# Altium PCB PCB_LampDimmer.PcbDoc
Units mil, origin at the board's own origin, x right, y up, seen from the top; angles counter-clockwise.
Board outline 5118.11 x 4724.41 mil, 2 copper layers (Top Layer, Bottom Layer); 47 components, 35 nets, 191 pads, 45 vias.
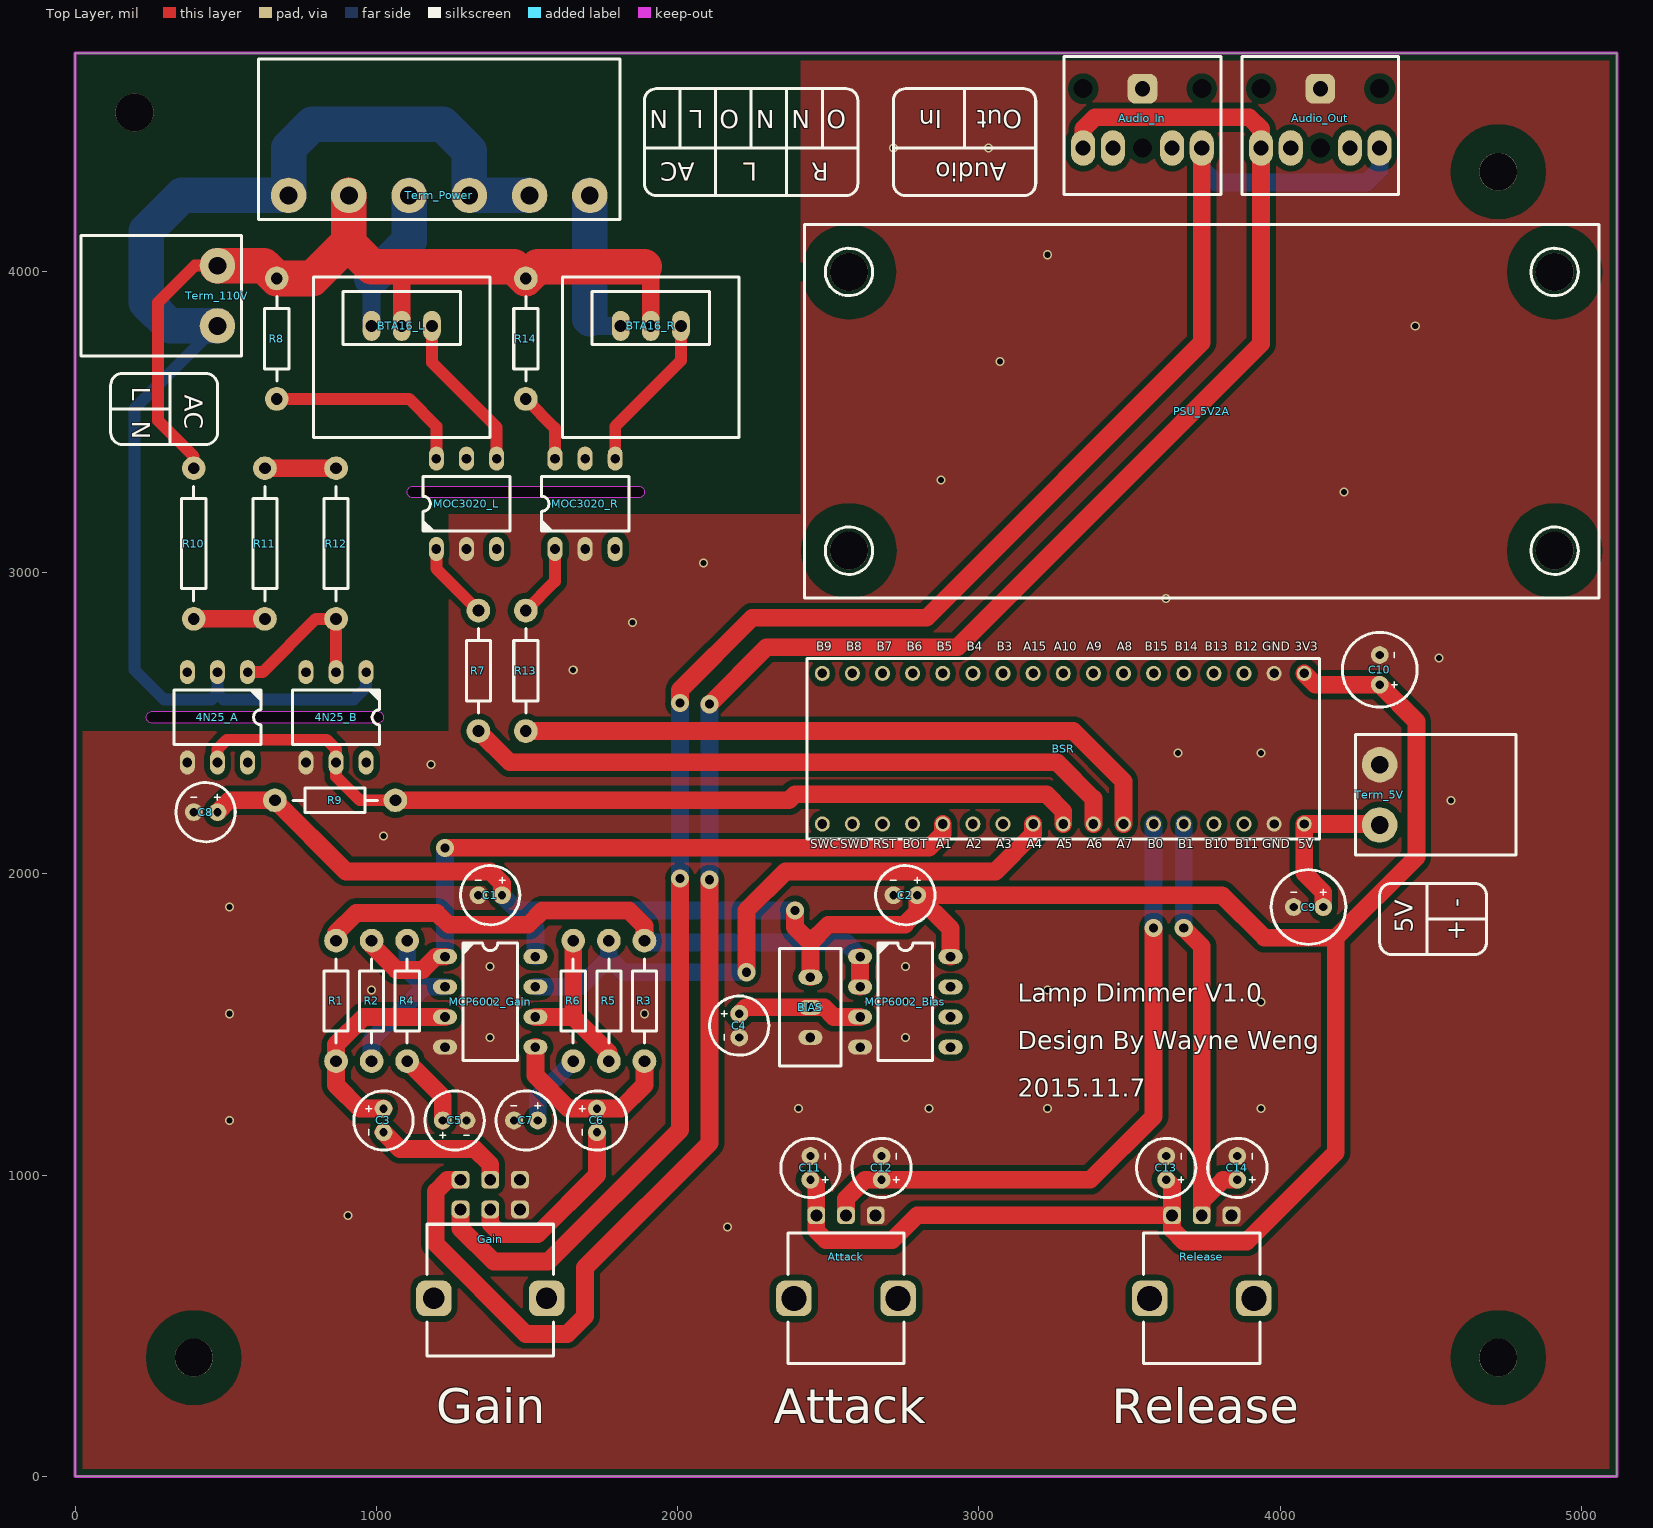
[diagram p0: Top Layer view]
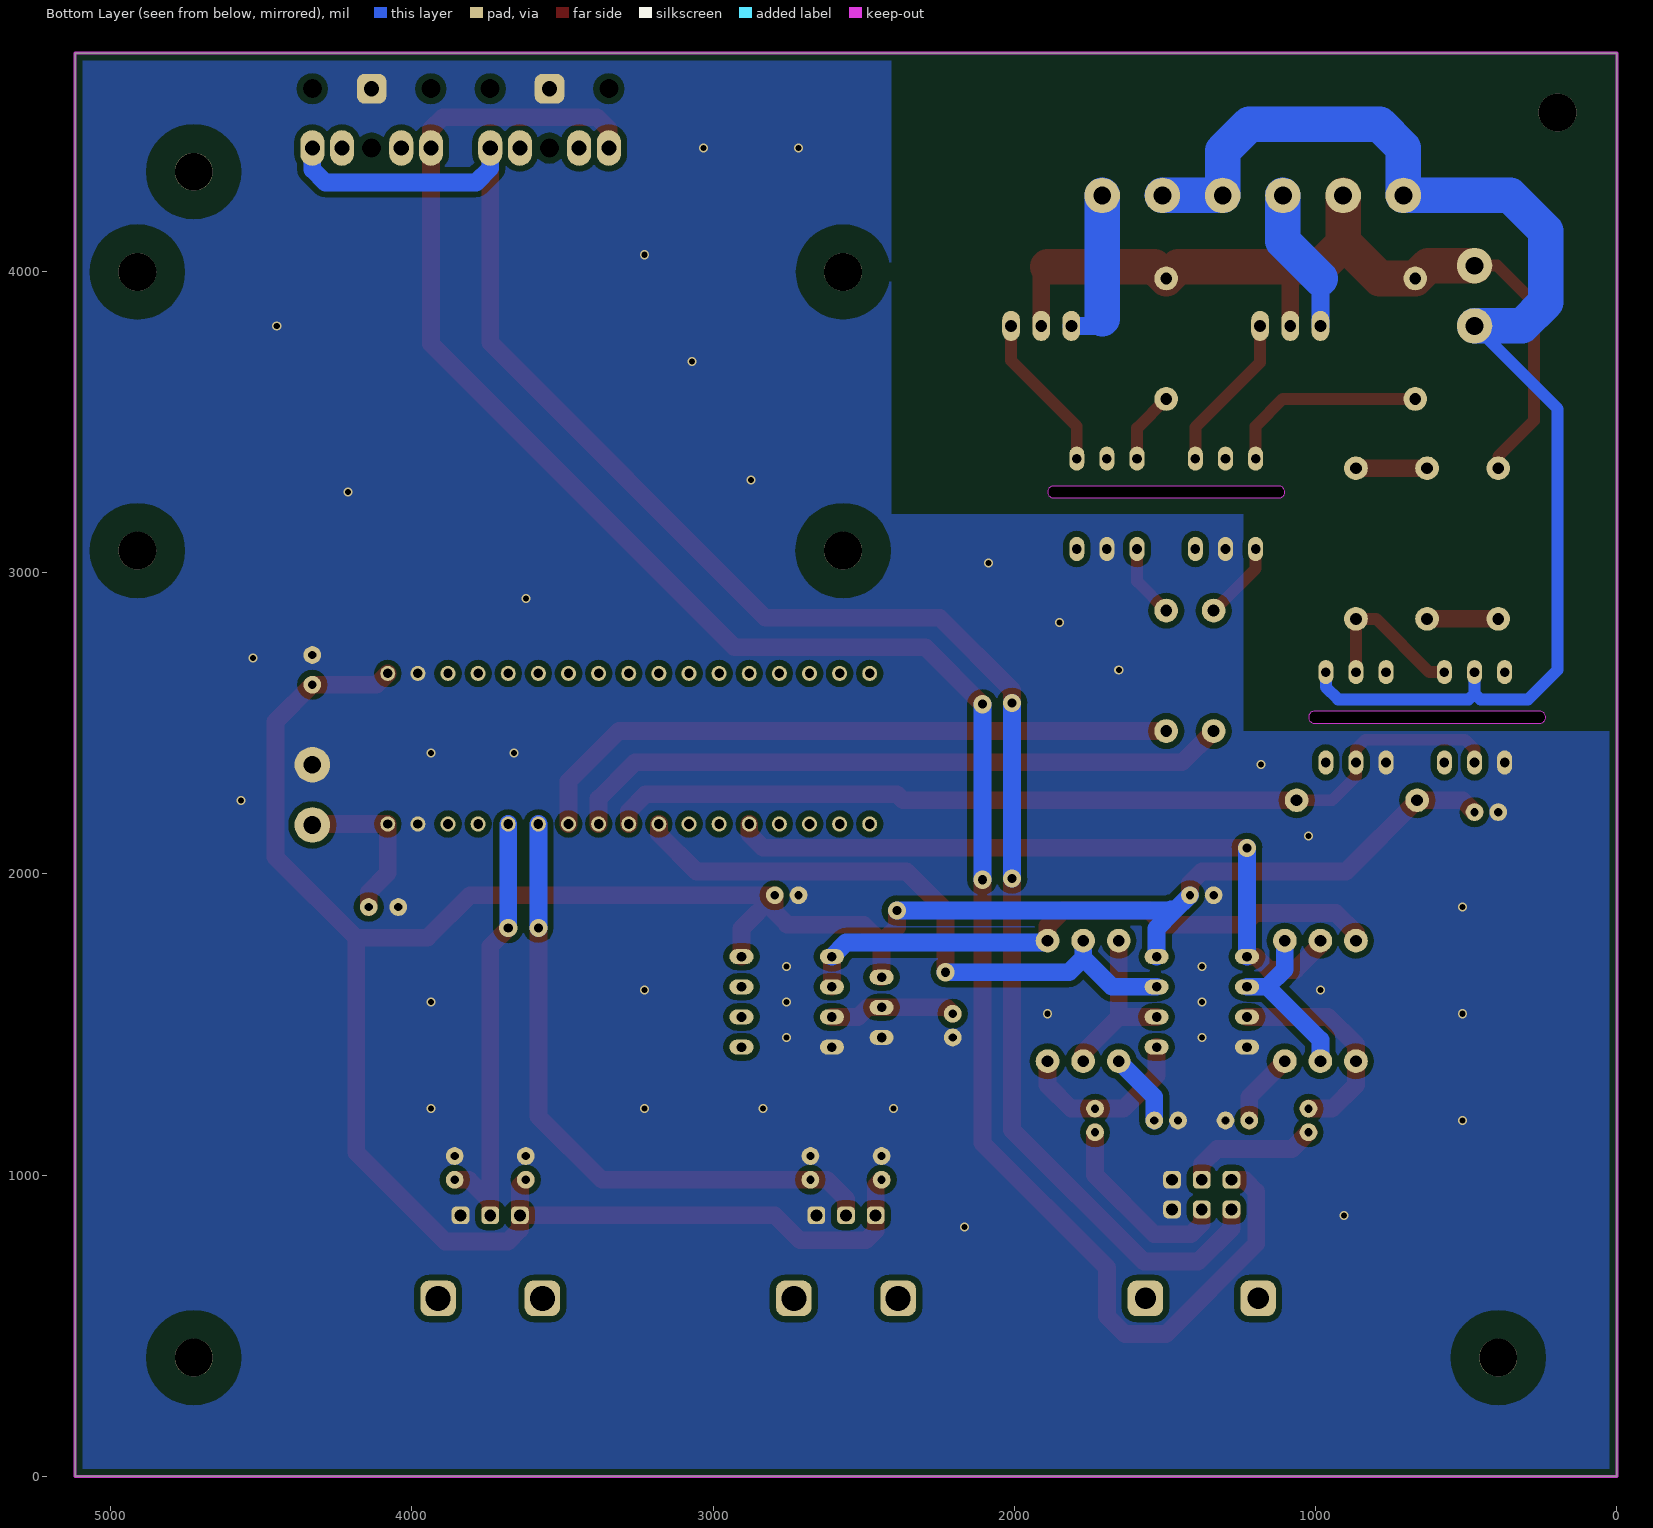
[diagram p1: Bottom Layer view, seen from below]

## Layer stack, top to bottom
Top Solder: solder mask 0.4, Solder Resist, Dk 3.5
Top Layer: signal copper 1.4
Dielectric 1: dielectric 12.6, FR-4, Dk 4.8
Bottom Layer: signal copper 1.4
Bottom Solder: solder mask 0.4, Solder Resist, Dk 3.5

## Board outline
0,0 5118.11,0 5118.11,4724.41 0,4724.41
cut-out: 1122.05,3248.03 cw(c1122.05,3267.72) 1102.36,3267.72 cw(c1122.05,3267.72) 1122.05,3287.4 1870.08,3287.4 cw(c1870.08,3267.72) 1889.76,3267.72 cw(c1870.08,3267.72) 1870.08,3248.03
cut-out: 255.91,2500 cw(c255.91,2519.69) 236.22,2519.68 236.22,2519.69 cw(c255.91,2519.69) 255.91,2539.37 1003.94,2539.37 cw(c1003.94,2519.68) 1023.62,2519.69 1023.62,2519.68 cw(c1003.94,2519.69) 1003.94,2500

## Design rules (kind name [scope] priority, off if disabled: settings)
Clearance [All] p1: gap=10 except(19.68: Arc-Poly Arc-Region Track-Poly Track-Region SMDPad-Poly SMDPad-Region THPad-Poly THPad-Region Via-Poly Via-Region Fill-Poly Fill-Region Poly-Poly Poly-Region Region-Region)
Height [All] p1: minheight=0 maxheight=1968.5 prefheight=500
PolygonConnect [All] p1: connectstyle=Direct reliefconductorwidth=10 reliefentries=4 polygonreliefangle="90 Angle" airgapwidth=10
RoutingVias [All] p1: holewidth=30 width=60 viastyle="Through Hole" minholewidth=12 minwidth=24 maxholewidth=50 maxwidth=100
SolderMaskExpansion [All] p1: expansion=0
Width [All] p1: maxlimit=118.11 minlimit=39.37 preferedwidth=39.37 checkconnectedcopper=TRUE
29 further rules are at their usual default settings.

## Classes and differential pairs
component class SCH_ZCD_TRIAC: 4N25_A 4N25_B BTA16_L BTA16_R C8 MOC3020_L MOC3020_R R7 R8 R9 R10 R11 R12 R13 R14
component class SCH_PowerInOut: PSU_5V2A Term_5V Term_110V Term_Power
component class SCH_Controller: Attack BSR C9 C10 C11 C12 C13 C14 Release
component class SCH_AnalogAudio: Audio_In Audio_Out BIAS C1 C2 C3 C4 C5 C6 C7 Gain MCP6002_Bias MCP6002_Gain R1 R2 R3 R4 R5 R6

## Components (designator, comment, footprint, x,y, rotation, side; value= is the part's Value field where it differs from the comment)
4N25_A "4N25" DIP6 472.44,2519.68 r270 top
4N25_B "4N25" DIP6 866.14,2519.68 r270 top
Attack "Single POT" "POT RK09K1130AAU" 2559.06,590.55 r180 top
Audio_In "Generic 3.5 PhoneJack 5 Pin through-hole" "3.5 PhoneJack 5 Pin" 3543.31,4606.3 r90 top
Audio_Out "Generic 3.5 PhoneJack 5 Pin through-hole" "3.5 PhoneJack 5 Pin" 4133.86,4606.3 r90 top
BIAS "POT 20T" "POT 20T" 2440.94,1456.69 r90 top
BSR "BSR" BSR 2480.32,2165.35 r0 top
BTA16_L "BTA16" TO220 984.25,3818.9 r0 top
BTA16_R "BTA16" TO220 1811.02,3818.9 r0 top
C1 "Cap" "CAP Axial 5mm" 1377.95,1929.13 r0 top
C2 "Cap" "CAP Axial 5mm" 2755.91,1929.13 r0 top
C3 "Cap" "CAP Axial 5mm" 1023.62,1181.1 r90 top
C4 "Cap" "CAP Axial 5mm" 2204.72,1496.06 r90 top
C5 "Cap" "CAP Axial 5mm" 1259.84,1181.1 r180 top
C6 "Cap" "CAP Axial 5mm" 1732.28,1181.1 r90 top
C7 "Cap" "CAP Axial 5mm" 1496.06,1181.1 r0 top
C8 "Cap" "CAP Axial 5mm" 433.07,2204.72 r0 top
C9 "Cap" "CAP Axial 6.3mm" 4094.49,1889.76 r0 top
C10 "Cap" "CAP Axial 6.3mm" 4330.71,2677.17 r270 top
C11 "Cap" "CAP Axial 5mm" 2440.94,1023.62 r270 top
C12 "Cap" "CAP Axial 5mm" 2677.17,1023.62 r270 top
C13 "Cap" "CAP Axial 5mm" 3622.05,1023.62 r270 top
C14 "Cap" "CAP Axial 5mm" 3858.27,1023.62 r270 top
Gain "Dual POT" "POT RK09L1240A12" 1377.95,590.55 r180 top
MCP6002_Bias "MCP6002" DIP8 2755.91,1574.8 r0 top
MCP6002_Gain "MCP6002" DIP8 1377.95,1574.8 r0 top
MOC3020_L "MOC3020" DIP6 1299.21,3228.35 r90 top
MOC3020_R "MOC3020" DIP6 1692.91,3228.35 r90 top
PSU_5V2A "psu" "POWER 5V2A MECHANICAL" 3740.16,3535.43 r180 top
R1 "Res" "1/4W Res" 866.14,1777.95 r270 top
R2 "Res" "1/4W Res" 984.25,1777.95 r270 top
R3 "Res" "1/4W Res" 1889.76,1377.95 r90 top
R4 "Res" "1/4W Res" 1102.36,1377.95 r90 top
R5 "Res" "1/4W Res" 1771.65,1777.95 r270 top
R6 "Res" "1/4W Res" 1653.54,1377.95 r90 top
R7 "Res" "1/4W Res" 1338.58,2874.02 r270 top
R8 "Res" "1/4W Res" 669.29,3976.38 r270 top
R9 "Res" "1/4W Res" 1062.99,2244.09 r180 top
R10 "Res" "1/2W Res" 393.7,3346.46 r270 top
R11 "Res" "1/2W Res" 629.92,2846.46 r90 top
R12 "Res" "1/2W Res" 866.14,3346.46 r270 top
R13 "Res" "1/4W Res" 1496.06,2874.02 r270 top
R14 "Res" "1/4W Res" 1496.06,3976.38 r270 top
Release "Single POT" "POT RK09K1130AAU" 3740.16,590.55 r180 top
Term_5V "Terminal Block Socket 2 way" "TermBlock Socket 2way 5.08" 4330.71,2362.2 r270 top
Term_110V "Terminal Block Socket 2 way" "TermBlock Socket 2way 5.08" 472.44,3818.9 r90 top
Term_Power "Terminal Block Socket 6 way" "TermBlock Socket 6way 5.08" 708.66,4251.97 r0 top

## Footprints (in the part's own frame and the unit in brackets; to place one, negate y for a bottom-side part, rotate by r counter-clockwise, add the part's x,y. Pads: shape width x height; smd on the part's side, far side on the other; paste and mask are expansions set on the pad)
"1/2W Res" [mm] "1/2W Res"
  round 2 hole 1: 1(0,0) 2(12.7,0)
  silkscreen extent 1.52,-1.02 11.18,1.02, body extent -0.37,-1.87 13.08,1.88, height 3.88
"1/4W Res" [mm] "1/4W Res"
  round 2 hole 1: 1(0,0) 2(10.16,0)
  silkscreen extent 1.52,-1.02 8.64,1.02, body extent -0.3,-1.2 10.46,1.2, height 2.41
"3.5 PhoneJack 5 Pin" [mm] "Generic 3.5 PhoneJack 5 Pin  through-hole"
  round 1 hole 1.6 unplated: 0(-5,0) 0(0,5) 0(0,-5)
  oval 3x2.032 hole 1.27: Ring_NC(-5,-2.5) Ring_NO(-5,-5) Tip_NC(-5,2.5) Tip_NO(-5,5)
  rrect50% 2.5x2.5 hole 1.27: Sleeve(0,0)
  silkscreen extent -8.9,-6.6 2.7,6.6, body extent -8.48,-6 6.52,6, height 10
BSR [mil] "BSR Board"
  round 50 hole 32: 1(0,0) 2(100,0) 3(200,0) 4(300,0) 5(400,0) 6(500,0) 7(600,0) 8(700,0) 9(800,0) 10(900,0) 11(1000,0) 12(1100,0) 13(1200,0) 14(1300,0) 15(1400,0)
  round 50 hole 31: 16(1500,0) 17(1600,0) 18(1600,500) 19(1500,500) 20(1400,500) 21(1300,500) 22(1200,500) 23(1100,500) 24(1000,500) 25(900,500) 26(800,500) 27(700,500) 28(600,500) 29(500,500) 30(400,500) 31(300,500) 32(200,500) 33(100,500) 34(0,500)
  silkscreen extent -50,-50 1650,550, body extent -122,-51 1655,549, height 559
"CAP Axial 5mm" [mm] "CAP Axial 5mm pitch 2mm"
  round 1.5 hole 0.7: 1(-1,0) 2(1,0)
  silkscreen extent -2.5,-2.5 2.5,2.5, body extent -2.53,-2.53 2.53,2.53, height 11.53
"CAP Axial 6.3mm" [mm] "CAP Axial 6.3mm pitch 2.5mm"
  round 1.5 hole 0.7: 1(-1.25,0) 2(1.25,0)
  silkscreen extent -3.15,-3.15 3.15,3.15, body extent -3.18,-3.18 3.17,3.18, height 11.53
DIP6 [mil] "DIP6"
  oval 80x50 hole 32: 1(-150,100) 2(-150,0) 3(-150,-100) 4(150,-100) 5(150,0) 6(150,100)
  silkscreen extent -90,-145 90,145, body extent -157,-158 157,160, height 170
DIP8 [mil] "DIP8"
  oval 80x50 hole 32: 1(-150,150) 2(-150,50) 3(-150,-50) 4(-150,-150) 5(150,-150) 6(150,-50) 7(150,50) 8(150,150)
  silkscreen extent -90,-195 90,195, body extent -155,-211 155,219, height 200
"POT 20T" [mil] "POT 20T"
  oval 50x80 hole 32: 1(0,0) 2(100,0) 3(200,0)
  silkscreen extent -95,-102 295,102, body extent -88,-94 288,94, height 455
"POT RK09K1130AAU" [mm] "POT RK09K1130AAU"
  rrect50% 3x3 hole 2.1: 0(-4.4,0) 0(4.4,0)
  rrect50% 1.5x1.5 hole 1: 1(-2.5,-7) 2(0,-7) 3(2.5,-7)
  silkscreen extent -4.9,-5.5 4.9,5.5, body extent -5.7,-7.15 5.7,5.5, height 20
"POT RK09L1240A12" [mm] "POT RK09L1240A12"
  rrect50% 3x3 hole 1.8: 0(-4.75,0) 0(4.75,0)
  rrect50% 1.5x1.5 hole 1: A1(-2.5,-10) A2(0,-10) A3(2.5,-10) B1(-2.5,-7.5) B2(0,-7.5) B3(2.5,-7.5)
  silkscreen extent -5.35,-6.25 5.35,4.85, body extent -6.05,-10.15 6.05,4.85, height 30
"POWER 5V2A MECHANICAL" [mm] "Power 5V2A Mechanical"
  round 3.2 hole 3.2 unplated: 0(-29.75,11.75) 0(-29.75,-11.75) 0(29.75,-11.75) 0(29.75,11.75)
  silkscreen extent -33.5,-15.75 33.5,15.75, body extent -33.5,-15.75 33.5,15.75, height 21.8
"TermBlock Socket 2way 5.08" [mm] "TermBlock Socket 90d 2wall 2way 5.08"
  round 3 hole 1.5: 1(0,0) 2(5.08,0)
  silkscreen extent -2.54,-2.03 7.62,11.5, body extent -2.54,-1.99 7.62,10.01, height 8.5
"TermBlock Socket 6way 5.08" [mm] "TermBlock Socket 90d 2wall 6way 5.08"
  round 3 hole 1.5: 1(0,0) 2(5.08,0) 3(10.16,0) 4(15.24,0) 5(20.32,0) 6(25.4,0)
  silkscreen extent -2.54,-2.03 27.94,11.5, body extent -2.54,-1.99 27.94,10.01, height 8.5
TO220 [mm]
  oval 1.5x2.54 hole 1: 1(0,0) 2(2.54,0) 3(5.08,0)
  silkscreen extent -4.9,-9.4 9.98,4.14, body extent -4.9,-9.4 9.98,4.14, height 21.52

## Part data
4N25_A 4N25_B: "4N25 Opto Coupler"
Attack Release: library part "ALPS POT RK09K1130AAU", "ALPS POT RK09K1130AAU"
BIAS: library part "POT 20T 3296W", "POT 20T 3296W"
BSR: "Bean Sprout Red Socket"
BTA16_L BTA16_R: "BTA16 Insulated TRIAC 16A"
C1 C2 C3 C4 C5 C6 C7 C8 C9 C10 C11 C12 C13 C14: library part "Axial Cap", "Axial Cap"
Gain: library part "ALPS POT RK09L1240A12", "ALPS POT RK09L1240A12"
MCP6002_Bias MCP6002_Gain: "MCP6002 RRIO Op Amp"
MOC3020_L MOC3020_R: "MOC3020 Random Phase Triac Driver"
PSU_5V2A: library part "Psu 5V2A", "PSU AC DC 5V 2A Mechanical"
R1 R2 R3 R4 R5 R6 R7 R8 R9 R10 R11 R12 R13 R14: library part "Axial Resistor", "Axial Resistor"
Term_5V Term_110V: library part "Term Block Socket 2 way", "Terminal Block Socket 2 way 5.08"
Term_Power: library part "Term Block Socket 6 way", "Terminal Block Socket 6 way 5.08"

## Free pads (board coordinates)
  round 125.98 hole 125.98 unplated: 0(196.85,4527.56) 0(393.7,393.7) 0(4724.41,393.7) 0(4724.41,4330.71)

## Via types
v1: diameter 30, hole 20, Top Layer to Bottom Layer, tented both sides, 36 vias
v2: diameter 60, hole 30, Top Layer to Bottom Layer, tented both sides, 9 vias

## Nets (pads, with @x,y where several pads share a name; then routed paths per layer and width w, separated by ;. In a path a pad name is that pad's centre, name@x,y a point inside that pad or via, vN(x,y) a via of type N, cw(c..) or ccw(c..) an arc to the next point about the centre after c; other vN are vias at no path point)
3V3: Attack.3 BIAS.3 BSR.18 C1.2 C2.2 C8.2 C10.2 C11.2 C13.2 MCP6002_Bias.8 MCP6002_Gain.8 R9.2 Release.3 | length 8959.5
  Top Layer w59.06: C8.2 511.81,2244.09 R9.2 899.21,2007.87 1377.95,2007.87 1417.32,1968.5 C1.2 ; v2(2389.76,1877.95) 2389.76,1822.83 2440.94,1771.65 ; C11.2 2460.63,964.57 Attack.3 2460.63,814.96 2492.13,783.46 2712.6,783.46 2795.28,866.14 Release.3 ; BIAS.3 2440.94,1771.65 ; 2755.91,1830.71 2500,1830.71 2440.94,1771.65 ; 2755.91,1834.65 2795.28,1874.02 C2.2 ; 2795.28,1889.76 C2.2 ; MCP6002_Bias.8 2905.91,1818.5 C2.2 ; C13.2 3641.73,964.57 Release.3 ; BSR.18 4117.72,2627.95 C10.2 4452.76,2505.91 4452.76,2055.12 4185.04,1787.4 ; C2.2 3807.09,1929.13 3948.82,1787.4 4185.04,1787.4 ; Release.3 3641.73,818.9 3681.1,779.53 3889.76,779.53 4185.04,1074.8 4185.04,1787.4
  Bottom Layer w59.06: C1.2 1472.44,1874.02 ; MCP6002_Gain.8 1527.95,1818.5 1472.44,1874.02 ; v2(2389.76,1877.95) 1484.25,1877.95 1480.32,1881.89 1472.44,1874.02
5V: BSR.17 C9.2 Term_5V.2 | length 553.5
  Top Layer w59.06: C9.2 4143.7,1938.98 4080.31,2002.36 BSR.17 4327.56,2165.35 Term_5V.2
110V_LINE: BTA16_L.2 BTA16_R.2 R8.1 R10.1 R14.1 Term_110V.2 Term_Power.2 | length 3020
  Top Layer w39.37: 393.7,3385.83 275.59,3503.94 275.59,3897.64 396.85,4018.9 Term_110V.2
  Top Layer w59.06: 984.25,4015.75 1084.25,4015.75 BTA16_L.2 ; 1889.76,4015.75 1911.02,3994.49 BTA16_R.2
  Top Layer w118.11: Term_110V.2 626.77,4018.9 R8.1 787.4,3976.38 908.66,4097.64 ; Term_Power.2 908.66,4097.64 ; 1889.76,4015.75 1535.43,4015.75 R14.1 1456.69,4015.75 984.25,4015.75 908.66,4091.34 908.66,4097.64
110V_NEUTRAL: 4N25_A.2 4N25_B.1 Term_110V.1 Term_Power.1 Term_Power.4 Term_Power.5 | length 4420.9
  Bottom Layer w39.37: 4N25_A.2 472.44,2598.43 ; Term_110V.1 196.85,3543.31 196.85,2677.17 294.89,2579.13 453.14,2579.13 472.44,2598.43 ; 4N25_B.1 966.14,2619.69 925.58,2579.13 491.74,2579.13 472.44,2598.43
  Bottom Layer w118.11: Term_110V.1 314.96,3818.9 236.22,3897.64 236.22,4133.86 354.33,4251.97 Term_Power.1 708.66,4409.45 787.4,4488.19 1220.47,4488.19 1308.66,4400 Term_Power.4 Term_Power.5
ATTACK_ADC: Attack.2 BSR.12 C12.2 | length 2160.4
  Top Layer w59.06: Attack.2 2559.06,921.26 2622.05,984.25 C12.2 3370.08,984.25 3580.32,1194.49 v2(3580.32,1820.47)
  Bottom Layer w59.06: v2(3580.32,1820.47) BSR.12
GND: 4N25_A.4 4N25_B.4 Attack.1 Audio_In.Sleeve Audio_Out.Sleeve BIAS.1 BSR.16 BSR.19 C1.1 C2.1 C4.1 C5.1 C7.1 C8.1 C9.1 C10.1 C11.1 C12.1 C13.1 C14.1 Gain.A1 Gain.B1 MCP6002_Bias.4 MCP6002_Gain.4 MOC3020_L.2 MOC3020_R.2 Release.1 Term_5V.1
  other v1: 2165.35,826.77 905.51,866.14 511.81,1181.1 2401.57,1220.47 2834.65,1220.47 3228.35,1220.47 3937.01,1220.47 1377.95,1456.69 2755.91,1456.69 511.81,1535.43 1889.76,1535.43 1377.95,1574.8 2755.91,1574.8 3937.01,1574.8 984.25,1614.17 3228.35,1614.17 1377.95,1692.91 2755.91,1692.91 511.81,1889.76 1023.62,2125.98 4566.93,2244.09 1181.1,2362.2 3661.42,2401.57 3937.01,2401.57 1653.54,2677.17 4527.56,2716.54 1850.39,2834.65 3622.05,2913.39 2086.61,3031.5 4212.6,3267.72 2874.02,3307.09 3070.87,3700.79 4448.82,3818.9 3228.35,4055.12 2716.54,4409.45 3031.5,4409.45
L_ADC: BSR.5 MCP6002_Gain.1 R2.1 | length 2376.2
  Top Layer w59.06: R2.1 984.25,1763.78 1066.93,1681.1 1153.54,1681.1 1197.24,1724.8 MCP6002_Gain.1 ; v2(1227.95,2086.22) 2834.25,2086.22 2880.32,2132.28 BSR.5
  Bottom Layer w59.06: MCP6002_Gain.1 v2(1227.95,2086.22)
L_ATT: C3.1 Gain.A2 | length 449.5
  Top Layer w59.06: C3.1 1078.74,1086.61 1326.77,1086.61 1377.95,1035.43 Gain.A2
L_IN: Audio_In.Tip_NO Audio_Out.Tip_NO Gain.A3 | length 6844.6
  Top Layer w59.06: Gain.A3 1236.22,984.25 1196.85,944.88 1196.85,771.65 1496.06,472.44 1633.86,472.44 1692.91,531.5 1692.91,692.91 2106.3,1106.3 v2(2106.3,1980.32) ; v2(2106.3,2562.99) 2295.28,2751.97 2929.13,2751.97 3937.01,3759.84 Audio_Out.Tip_NO 3937.01,4472.44 3897.64,4511.81 3385.83,4511.81 3346.46,4472.44 Audio_In.Tip_NO
  Bottom Layer w59.06: v2(2106.3,1980.32) v2(2106.3,2562.99)
Net4N25_A_1: 4N25_A.1 4N25_B.2 R12.2 | length 543.7
  Top Layer w39.37: 4N25_A.1 622.44,2669.68 799.21,2846.46 R12.2 4N25_B.2
Net4N25_A_5: 4N25_A.5 4N25_B.5 BSR.9 R9.1 | length 3074.7
  Top Layer w39.37: 4N25_A.5 472.44,2413.39 503.94,2444.88 834.65,2444.88 866.14,2413.39 4N25_B.5 866.14,2322.83 944.88,2244.09 R9.1
  Top Layer w59.06: R9.1 2370.08,2244.09 2389.76,2263.78 3224.41,2263.78 3280.32,2207.87 BSR.9
NetBIAS_2: BIAS.2 C4.2 MCP6002_Bias.3 | length 423.2
  Top Layer w59.06: C4.2 2225.98,1556.69 BIAS.2 2486.61,1556.69 2518.5,1524.8 MCP6002_Bias.3
NetBSR_10: BSR.10 R7.2 | length 2218.9
  Top Layer w59.06: R7.2 1442.52,2370.08 3259.84,2370.08 3380.32,2249.61 BSR.10
NetBSR_11: BSR.11 R13.2 | length 2195.1
  Top Layer w59.06: R13.2 3313.39,2474.02 3480.32,2307.09 BSR.11
NetBTA16_L_1: BTA16_L.1 Term_Power.3 | length 484.6
  Bottom Layer w59.06: BTA16_L.1 984.25,3976.38
  Bottom Layer w118.11: 984.25,3976.38 1108.66,4100.79 Term_Power.3
NetBTA16_L_3: BTA16_L.3 MOC3020_L.4 | length 529.6
  Top Layer w39.37: BTA16_L.3 1184.25,3697.64 1399.21,3482.68 MOC3020_L.4
NetBTA16_R_1: BTA16_R.1 Term_Power.6 | length 521.6
  Bottom Layer w59.06: 1708.66,3842.52 1732.28,3818.9 BTA16_R.1
  Bottom Layer w118.11: 1708.66,3842.52 Term_Power.6
NetBTA16_R_3: BTA16_R.3 MOC3020_R.4 | length 530.9
  Top Layer w39.37: MOC3020_R.4 1792.91,3485.83 2011.02,3703.94 BTA16_R.3
NetC3_2: C3.2 MCP6002_Gain.3 R1.2 | length 723.8
  Top Layer w59.06: C3.2 944.88,1220.47 866.14,1299.21 R1.2 866.14,1433.07 957.87,1524.8 MCP6002_Gain.3
NetC5_2: C5.2 R4.1 | length 245.8
  Top Layer w59.06: R4.1 1220.47,1259.84 C5.2
NetC6_2: C6.2 MCP6002_Gain.5 R3.1 | length 613.2
  Top Layer w59.06: MCP6002_Gain.5 1527.95,1330.32 1637.8,1220.47 C6.2 1811.02,1220.47 1889.76,1299.21 R3.1
NetC7_2: C7.2 R6.1 | length 245.8
  Bottom Layer w59.06: C7.2 1535.43,1259.84 R6.1
NetMCP6002_Gain_2: MCP6002_Gain.2 R2.2 R4.2 | length 564.6
  Bottom Layer w59.06: R2.2 984.25,1448.82 1160.24,1624.8 ; R4.2 1102.36,1682.68 1160.24,1624.8 ; MCP6002_Gain.2 1160.24,1624.8
NetMCP6002_Gain_6: MCP6002_Gain.6 R5.2 R6.2 | length 574.5
  Top Layer w59.06: MCP6002_Gain.6 1653.54,1524.8 ; R6.2 1653.54,1524.8 ; R5.2 1771.65,1406.69 1653.54,1524.8
NetMOC3020_L_1: MOC3020_L.1 R7.1 | length 262.1
  Top Layer w39.37: MOC3020_L.1 1199.21,3013.39 R7.1
NetMOC3020_L_6: MOC3020_L.6 R8.2 | length 674.9
  Top Layer w39.37: R8.2 1108.66,3576.38 1199.21,3485.83 MOC3020_L.6
NetMOC3020_R_1: MOC3020_R.1 R13.1 | length 244.4
  Top Layer w39.37: R13.1 1592.91,2970.87 MOC3020_R.1
NetMOC3020_R_6: MOC3020_R.6 R14.2 | length 238.1
  Top Layer w39.37: R14.2 1592.91,3479.53 MOC3020_R.6
NetR10_2: R10.2 R11.1 | length 236.2
  Top Layer w59.06: R10.2 R11.1
NetR11_2: R11.2 R12.1 | length 236.2
  Top Layer w59.06: R11.2 R12.1
R_ADC: BSR.8 MCP6002_Gain.7 R5.1 | length 2111.7
  Top Layer w59.06: v2(2228.35,1673.23) 2228.35,1877.95 2358.27,2007.87 3055.12,2007.87 3180.31,2133.07 BSR.8
  Bottom Layer w59.06: MCP6002_Gain.7 1675.98,1624.8 1771.65,1720.47 ; R5.1 1771.65,1720.47 ; v2(2228.35,1673.23) 1818.9,1673.23 1771.65,1720.47
R_ATT: C6.1 Gain.B2 | length 639.5
  Top Layer w59.06: Gain.B2 1377.95,838.58 1413.39,803.15 1535.43,803.15 1732.28,1000 C6.1
R_IN: Audio_In.Ring_NO Audio_Out.Ring_NO Gain.B3 | length 6100.3
  Top Layer w59.06: Gain.B3 1279.53,822.83 1389.76,712.6 1570.87,712.6 2007.87,1149.61 v2(2007.87,1984.25) ; v2(2007.87,2566.93) 2007.87,2610.24 2248.03,2850.39 2826.77,2850.39 3740.16,3763.78 Audio_In.Ring_NO
  Bottom Layer w59.06: v2(2007.87,1984.25) v2(2007.87,2566.93) ; Audio_In.Ring_NO 3740.16,4342.52 3787.4,4295.28 4287.4,4295.28 4330.71,4338.58 Audio_Out.Ring_NO
RELEASE_ADC: BSR.13 C14.2 Release.2 | length 1471.5
  Top Layer w59.06: v2(3680.31,1819.69) 3740.16,1759.84 3740.16,913.39 ; Release.2 3740.16,913.39 ; C14.2 3811.02,984.25 3740.16,913.39
  Bottom Layer w59.06: v2(3680.31,1819.69) BSR.13
VBIAS1.65: MCP6002_Bias.1 MCP6002_Bias.2 R1.1 R3.2 | length 2020.6
  Top Layer w59.06: R1.1 866.14,1803.15 933.07,1870.08 1200.79,1870.08 1240.16,1830.71 1503.94,1830.71 1551.18,1877.95 1838.58,1877.95 1889.76,1826.77 R3.2 ; MCP6002_Bias.2 MCP6002_Bias.1
  Bottom Layer w59.06: R3.2 1896.06,1771.65 2559.06,1771.65 MCP6002_Bias.1
pads on no net: 4N25_A.3 4N25_A.6 4N25_B.3 4N25_B.6 Attack.0 Audio_In.0 Audio_In.Ring_NC Audio_In.Tip_NC Audio_Out.0 Audio_Out.Ring_NC Audio_Out.Tip_NC BSR.1 BSR.2 BSR.3 BSR.4 BSR.6 BSR.7 BSR.14 BSR.15 BSR.20 BSR.21 BSR.22 BSR.23 BSR.24 BSR.25 BSR.26 BSR.27 BSR.28 BSR.29 BSR.30 BSR.31 BSR.32 BSR.33 BSR.34 Gain.0 MCP6002_Bias.5 MCP6002_Bias.6 MCP6002_Bias.7 MOC3020_L.3 MOC3020_L.5 MOC3020_R.3 MOC3020_R.5 PSU_5V2A.0 Release.0

## Polygon pours and split planes (outlines as drawn)
GND on Bottom Layer "VSS-No Net" (solid, pour order 4): 0,4724.41 0,0 5118.11,0 5118.11,4724.41
GND on Top Layer "VSS-No Net" (solid, pour order 5): 0,0 5118.11,0 5118.11,4724.41 0,4724.41

## Keep-outs
Keep-Out Layer:
  the board outline again, w10

## Other copper
Top Layer:
  pour cut-out: 0,4724.41 0,2472.44 1114.17,2472.44 1240.16,2472.44 1240.16,2598.43 1240.16,3192.91 1901.57,3192.91 2409.45,3192.91 2409.45,3606.3 2409.45,4724.41
  pour cut-out: 196.85,4370.08 cw(c196.85,4527.56) 39.37,4527.56 cw(c196.85,4527.56) 196.85,4685.04 cw(c196.85,4527.56) 354.33,4527.56 cw(c196.85,4527.56)
  pour cut-out: 4724.41,4173.23 cw(c4724.41,4330.71) 4566.93,4330.71 cw(c4724.41,4330.71) 4724.41,4488.19 cw(c4724.41,4330.71) 4881.89,4330.71 cw(c4724.41,4330.71)
  pour cut-out: 393.7,236.22 cw(c393.7,393.7) 236.22,393.7 cw(c393.7,393.7) 393.7,551.18 cw(c393.7,393.7) 551.18,393.7 cw(c393.7,393.7)
  pour cut-out: 4724.41,236.22 cw(c4724.41,393.7) 4566.93,393.7 cw(c4724.41,393.7) 4724.41,551.18 cw(c4724.41,393.7) 4881.89,393.7 cw(c4724.41,393.7)
  pour cut-out: 4911.42,3840.55 cw(c4911.42,3998.03) 4753.94,3998.03 cw(c4911.42,3998.03) 4911.42,4155.51 cw(c4911.42,3998.03) 5068.9,3998.03 cw(c4911.42,3998.03)
  pour cut-out: 4911.42,2915.35 cw(c4911.42,3072.83) 4753.94,3072.83 cw(c4911.42,3072.83) 4911.42,3230.31 cw(c4911.42,3072.83) 5068.9,3072.83 cw(c4911.42,3072.83)
  pour cut-out: 2568.9,2915.35 cw(c2568.9,3072.83) 2411.42,3072.83 cw(c2568.9,3072.83) 2568.9,3230.31 cw(c2568.9,3072.83) 2726.38,3072.83 cw(c2568.9,3072.83)
  pour cut-out: 2568.9,3840.55 cw(c2568.9,3998.03) 2411.42,3998.03 cw(c2568.9,3998.03) 2568.9,4155.51 cw(c2568.9,3998.03) 2726.38,3998.03 cw(c2568.9,3998.03)
Bottom Layer:
  pour cut-out: 0,4724.41 0,2472.44 1114.17,2472.44 1240.16,2472.44 1240.16,2598.43 1240.16,3192.91 1901.57,3192.91 2409.45,3192.91 2409.45,3606.3 2409.45,4724.41
  pour cut-out: 196.85,4370.08 cw(c196.85,4527.56) 39.37,4527.56 cw(c196.85,4527.56) 196.85,4685.04 cw(c196.85,4527.56) 354.33,4527.56 cw(c196.85,4527.56)
  pour cut-out: 4724.41,4173.23 cw(c4724.41,4330.71) 4566.93,4330.71 cw(c4724.41,4330.71) 4724.41,4488.19 cw(c4724.41,4330.71) 4881.89,4330.71 cw(c4724.41,4330.71)
  pour cut-out: 393.7,236.22 cw(c393.7,393.7) 236.22,393.7 cw(c393.7,393.7) 393.7,551.18 cw(c393.7,393.7) 551.18,393.7 cw(c393.7,393.7)
  pour cut-out: 4724.41,236.22 cw(c4724.41,393.7) 4566.93,393.7 cw(c4724.41,393.7) 4724.41,551.18 cw(c4724.41,393.7) 4881.89,393.7 cw(c4724.41,393.7)
  pour cut-out: 4911.42,2915.35 cw(c4911.42,3072.83) 4753.94,3072.83 cw(c4911.42,3072.83) 4911.42,3230.31 cw(c4911.42,3072.83) 5068.9,3072.83 cw(c4911.42,3072.83)
  pour cut-out: 4911.42,3840.55 cw(c4911.42,3998.03) 4753.94,3998.03 cw(c4911.42,3998.03) 4911.42,4155.51 cw(c4911.42,3998.03) 5068.9,3998.03 cw(c4911.42,3998.03)
  pour cut-out: 2568.9,3840.55 cw(c2568.9,3998.03) 2411.42,3998.03 cw(c2568.9,3998.03) 2568.9,4155.51 cw(c2568.9,3998.03) 2726.38,3998.03 cw(c2568.9,3998.03)
  pour cut-out: 2568.9,2915.35 cw(c2568.9,3072.83) 2411.42,3072.83 cw(c2568.9,3072.83) 2568.9,3230.31 cw(c2568.9,3072.83) 2726.38,3072.83 cw(c2568.9,3072.83)

## Silkscreen, mask and mechanical layers (free items; w line width, h text height)
Top Overlay:
  lines w10: 118.11,3543.31 314.96,3543.31 ; 314.96,3425.2 314.96,3661.42 ; 1889.76,4409.45 2598.43,4409.45 ; 2007.87,4409.45 2007.87,4606.3 ; 2125.98,4251.97 2125.98,4370.08 2125.98,4606.3 ; 2244.09,4409.45 2244.09,4606.3 ; 2362.2,4251.97 2362.2,4370.08 2362.2,4606.3 ; 2480.32,4409.45 2480.32,4606.3 ; 2716.54,4409.45 3188.98,4409.45 ; 2952.76,4409.45 2952.76,4606.3 ; 4488.19,1732.28 4488.19,1968.5 ; 4488.19,1850.39 4685.04,1850.39 ; 118.11,3464.57 ccw(c157.48,3464.57) 157.48,3425.2 433.07,3425.2 ccw(c433.07,3464.57) 472.44,3464.57 472.44,3622.05 ccw(c433.07,3622.05) 433.07,3661.42 157.48,3661.42 ccw(c157.48,3622.05) 118.11,3622.05 118.11,3464.57 ; 1889.76,4291.34 ccw(c1929.13,4291.34) 1929.13,4251.97 2559.06,4251.97 ccw(c2559.06,4291.34) 2598.43,4291.34 2598.43,4566.93 ccw(c2559.06,4566.93) 2559.06,4606.3 1929.13,4606.3 ccw(c1929.13,4566.93) 1889.76,4566.93 1889.76,4291.34 ; 2716.54,4291.34 ccw(c2755.91,4291.34) 2755.91,4251.97 3149.61,4251.97 ccw(c3149.61,4291.34) 3188.98,4291.34 3188.98,4566.93 ccw(c3149.61,4566.93) 3149.61,4606.3 2755.91,4606.3 ccw(c2755.91,4566.93) 2716.54,4566.93 2716.54,4291.34 ; 4330.71,1771.65 ccw(c4370.08,1771.65) 4370.08,1732.28 4645.67,1732.28 ccw(c4645.67,1771.65) 4685.04,1771.65 4685.04,1929.13 ccw(c4645.67,1929.13) 4645.67,1968.5 4370.08,1968.5 ccw(c4370.08,1929.13) 4330.71,1929.13 4330.71,1771.65
  text "N" at 1968.5,4534.45 h60 r180
  text "L" at 2086.61,4534.45 h60 r180
  text "O" at 2204.72,4534.45 h60 r180
  text "N" at 2322.83,4534.45 h60 r180
  text "N" at 2440.94,4534.45 h60 r180
  text "O" at 2559.06,4534.45 h60 r180
  text "In" at 2878.94,4534.45 h60 r180
  text "Out" at 3143.7,4534.45 h60 r180
  text "AC" at 2057.09,4361.22 h60 r180
  text "L" at 2264.76,4361.22 h60 r180
  text "R" at 2501.97,4361.22 h60 r180
  text "Audio" at 3092.52,4361.22 h60 r180
  text "L" at 189.96,3616.14 h60 r270
  text "AC" at 363.19,3589.57 h60 r270
  text "N" at 189.96,3503.94 h60 r270
  text "-" at 4613.19,1889.76 h60 r90
  text "5V" at 4439.96,1804.13 h60 r90
  text "+" at 4613.19,1777.56 h60 r90
  text "Lamp Dimmer V1.0" at 3129.92,1574.8 h60
  text "Design By Wayne Weng" at 3129.92,1417.32 h60
  text "2015.11.7" at 3129.92,1259.84 h60
  text "Gain" at 1198.82,137.8 h196.85
  text "Attack" at 2318.9,137.8 h196.85
  text "Release" at 3440.95,137.8 h196.85
Mechanical 1:
  lines w2: 0,0 5118.11,0 5118.11,4724.41 0,4724.41 0,0 ; 236.22,2519.68 ccw(c255.91,2519.69) 255.91,2500 1003.94,2500 ccw(c1003.94,2519.69) 1023.62,2519.68 ccw(c1003.94,2519.68) 1003.94,2539.37 255.91,2539.37 ccw(c255.91,2519.69) 236.22,2519.69 ; 1102.36,3267.72 cw(c1122.05,3267.72) 1122.05,3287.4 1870.08,3287.4 cw(c1870.08,3267.72) 1889.76,3267.72 cw(c1870.08,3267.72) 1870.08,3248.03 1122.05,3248.03 cw(c1122.05,3267.72) 1102.36,3267.72 ; 5314.96,2559.06 cw(c5334.65,2559.06) 5334.65,2578.74 6082.68,2578.74 cw(c6082.68,2559.06) 6102.36,2559.06 cw(c6082.68,2559.06) 6082.68,2539.37 5334.65,2539.37 cw(c5334.65,2559.06) 5314.96,2559.06
  lines w10: 5629.92,2362.2 5669.29,2322.83 ; 5669.29,2440.94 5669.29,2322.83 ; 5708.66,2362.2 5669.29,2322.83
  text "Drill Cut" at 5472.44,2204.72 h60
Drill Drawing:
  text ".Legend" at 5354.33,39.37 h60

## Text inside footprints (layer, text, board x,y; h text height)
BSR: Top Overlay "SWC" at 2440.32,2075.35 h50; Top Overlay "SWD" at 2540.32,2075.35 h50; Top Overlay "BOT" at 2747.32,2075.35 h50; Top Overlay "3V3" at 4048.32,2730.35 h50; Top Overlay "5V" at 4060.32,2075.35 h50; Top Overlay "RST" at 2650.32,2075.35 h50; Top Overlay "A1" at 2859.32,2075.35 h50; Top Overlay "A2" at 2958.32,2075.35 h50; Top Overlay "A3" at 3058.32,2075.35 h50; Top Overlay "A4" at 3158.32,2075.35 h50; Top Overlay "A5" at 3258.32,2075.35 h50; Top Overlay "A6" at 3358.32,2075.35 h50; Top Overlay "A7" at 3458.32,2075.35 h50; Top Overlay "B1" at 3661.32,2075.35 h50; Top Overlay "B0" at 3561.32,2075.35 h50; Top Overlay "B10" at 3750.32,2075.35 h50; Top Overlay "B11" at 3851.32,2075.35 h50; Top Overlay "A15" at 3148.32,2730.35 h50; Top Overlay "B9" at 2460.32,2730.35 h50; Top Overlay "B8" at 2560.32,2730.35 h50; Top Overlay "B7" at 2660.32,2730.35 h50; Top Overlay "B6" at 2760.32,2730.35 h50; Top Overlay "B5" at 2860.32,2730.35 h50; Top Overlay "B4" at 2960.32,2730.35 h50; Top Overlay "B3" at 3060.32,2730.35 h50; Top Overlay "A10" at 3248.32,2730.35 h50; Top Overlay "A9" at 3357.32,2730.35 h50; Top Overlay "A8" at 3457.32,2730.35 h50; Top Overlay "B15" at 3550.32,2730.35 h50; Top Overlay "B14" at 3650.32,2730.35 h50; Top Overlay "B13" at 3750.32,2730.35 h50; Top Overlay "B12" at 3850.32,2730.35 h50; Top Overlay "GND" at 3940.32,2730.35 h50; Top Overlay "GND" at 3941.32,2075.35 h50